# Altium PCB LimeNet-Micro_2v1.PcbDoc (part 3 of 11)
Units mm, origin at the board's own origin, x right, y up, seen from the top; angles counter-clockwise.
Board outline 75 x 143 mm, 6 copper layers (Top, L2, L3, L4, L5, Bottom), stack 1.583 mm thick; 795 components, 565 nets, 3646 pads, 1420 vias.
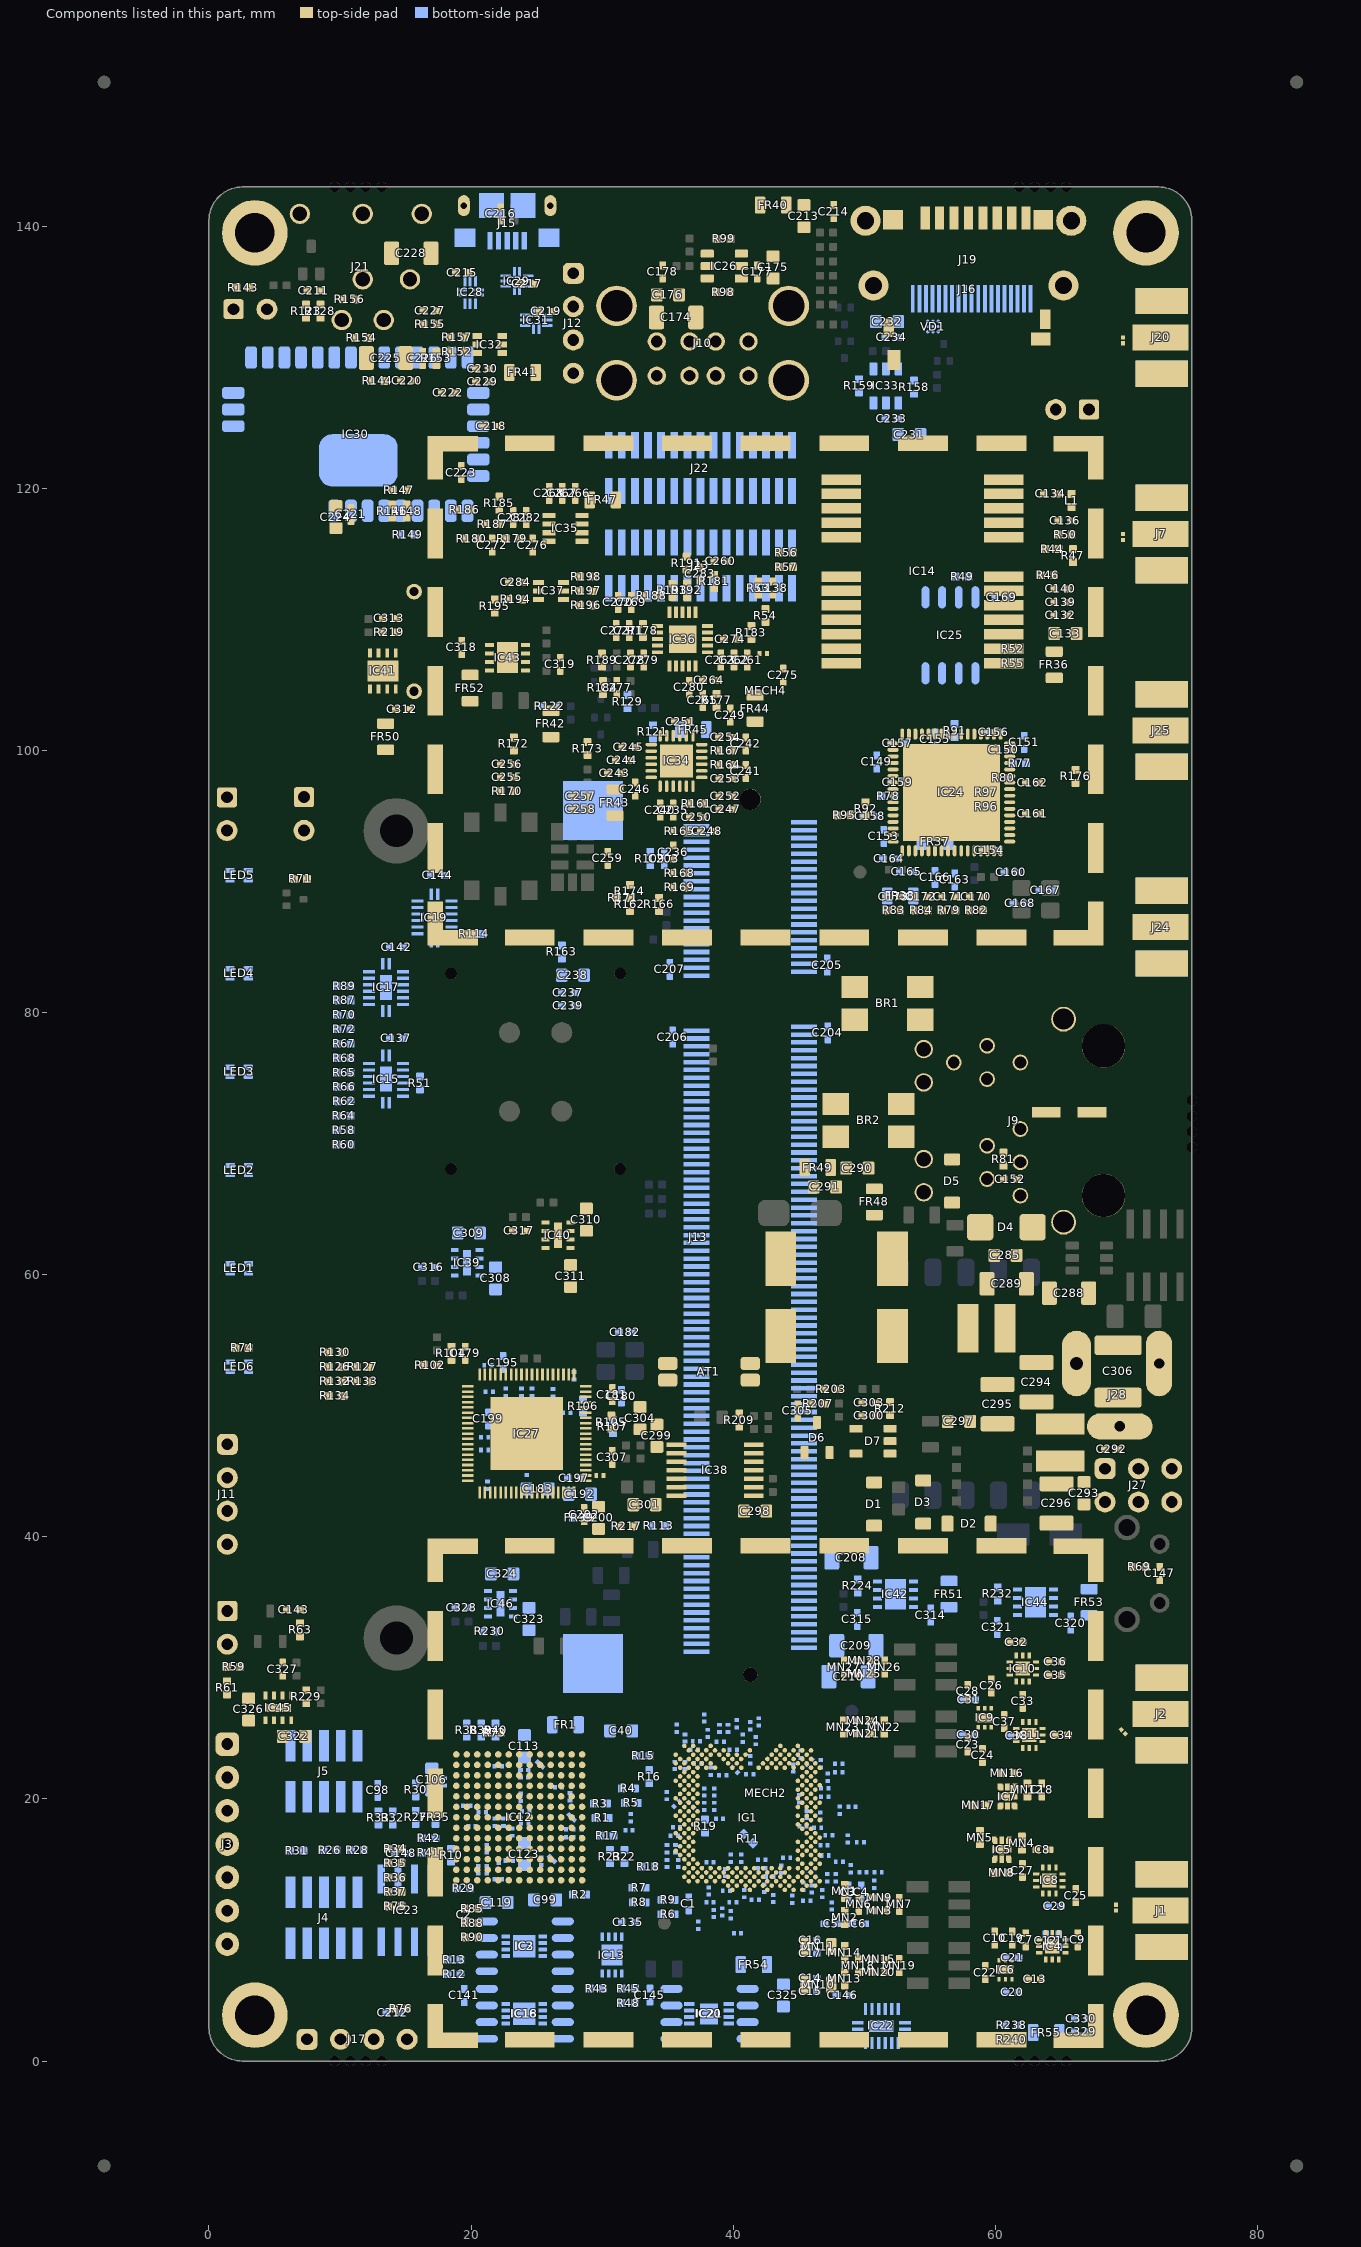
[diagram p7: the components of this part, seen from the top]

## Footprints (in the part's own frame and the unit in brackets; to place one, negate y for a bottom-side part, rotate by r counter-clockwise, add the part's x,y. Pads: shape width x height; smd on the part's side, far side on the other; paste and mask are expansions set on the pad) (continued)
TE_1717254-1_DDR_SODIMM [mm] "(DDR2 SO-DIMM)"
  rect 0.35x2 smd mask+0.05: 1(32.025,3.75) 2(31.725,-4.45) 3(31.425,3.75) 4(31.125,-4.45) 5(30.825,3.75) 6(30.525,-4.45) 7(30.225,3.75) 8(29.925,-4.45) 9(29.625,3.75) 10(29.325,-4.45) 11(29.025,3.75) 12(28.725,-4.45) 13(28.425,3.75) 14(28.125,-4.45) 15(27.825,3.75) 16(27.525,-4.45) 17(27.225,3.75) 18(26.925,-4.45) 19(26.625,3.75) 20(26.325,-4.45) 21(26.025,3.75) 22(25.725,-4.45) 23(25.425,3.75) 24(25.125,-4.45) 25(24.825,3.75) 26(24.525,-4.45) 27(24.225,3.75) 28(23.925,-4.45) 29(23.625,3.75) 30(23.325,-4.45) 31(23.025,3.75) 32(22.725,-4.45) 33(22.425,3.75) 34(22.125,-4.45) 35(21.825,3.75) 36(21.525,-4.45) 37(21.225,3.75) 38(20.925,-4.45) 39(20.625,3.75) 40(20.325,-4.45) 41(16.425,3.75) 42(16.125,-4.45) 43(15.825,3.75) 44(15.525,-4.45) 45(15.225,3.75) 46(14.925,-4.45) 47(14.625,3.75) 48(14.325,-4.45) 49(14.025,3.75) 50(13.725,-4.45) 51(13.425,3.75) 52(13.125,-4.45) 53(12.825,3.75) 54(12.525,-4.45) 55(12.225,3.75) 56(11.925,-4.45) 57(11.625,3.75) 58(11.325,-4.45) 59(11.025,3.75) 60(10.725,-4.45) 61(10.425,3.75) 62(10.125,-4.45) 63(9.825,3.75) 64(9.525,-4.45) 65(9.225,3.75) 66(8.925,-4.45) 67(8.625,3.75) 68(8.325,-4.45) 69(8.025,3.75) 70(7.725,-4.45) 71(7.425,3.75) 72(7.125,-4.45) 73(6.825,3.75) 74(6.525,-4.45) 75(6.225,3.75) 76(5.925,-4.45) 77(5.625,3.75) 78(5.325,-4.45) 79(5.025,3.75) 80(4.725,-4.45) 81(4.425,3.75) 82(4.125,-4.45) 83(3.825,3.75) 84(3.525,-4.45) 85(3.225,3.75) 86(2.925,-4.45) 87(2.625,3.75) 88(2.325,-4.45) 89(2.025,3.75) 90(1.725,-4.45) 91(1.425,3.75) 92(1.125,-4.45) 93(0.825,3.75) 94(0.525,-4.45) 95(0.225,3.75) 96(-0.075,-4.45) 97(-0.375,3.75) 98(-0.675,-4.45) 99(-0.975,3.75) 100(-1.275,-4.45) 101(-1.575,3.75) 102(-1.875,-4.45) 103(-2.175,3.75) 104(-2.475,-4.45) 105(-2.775,3.75) 106(-3.075,-4.45) 107(-3.375,3.75) 108(-3.675,-4.45) 109(-3.975,3.75) 110(-4.275,-4.45) 111(-4.575,3.75) 112(-4.875,-4.45) 113(-5.175,3.75) 114(-5.475,-4.45) 115(-5.775,3.75) 116(-6.075,-4.45) 117(-6.375,3.75) 118(-6.675,-4.45) 119(-6.975,3.75) 120(-7.275,-4.45) 121(-7.575,3.75) 122(-7.875,-4.45) 123(-8.175,3.75) 124(-8.475,-4.45) 125(-8.775,3.75) 126(-9.075,-4.45) 127(-9.375,3.75) 128(-9.675,-4.45) 129(-9.975,3.75) 130(-10.275,-4.45) 131(-10.575,3.75) 132(-10.875,-4.45) 133(-11.175,3.75) 134(-11.475,-4.45) 135(-11.775,3.75) 136(-12.075,-4.45) 137(-12.375,3.75) 138(-12.675,-4.45) 139(-12.975,3.75) 140(-13.275,-4.45) 141(-13.575,3.75) 142(-13.875,-4.45) 143(-14.175,3.75) 144(-14.475,-4.45) 145(-14.775,3.75) 146(-15.075,-4.45) 147(-15.375,3.75) 148(-15.675,-4.45) 149(-15.975,3.75) 150(-16.275,-4.45) 151(-16.575,3.75) 152(-16.875,-4.45) 153(-17.175,3.75) 154(-17.475,-4.45) 155(-17.775,3.75) 156(-18.075,-4.45) 157(-18.375,3.75) 158(-18.675,-4.45) 159(-18.975,3.75) 160(-19.275,-4.45) 161(-19.575,3.75) 162(-19.875,-4.45) 163(-20.175,3.75) 164(-20.475,-4.45) 165(-20.775,3.75) 166(-21.075,-4.45) 167(-21.375,3.75) 168(-21.675,-4.45) 169(-21.975,3.75) 170(-22.275,-4.45) 171(-22.575,3.75) 172(-22.875,-4.45) 173(-23.175,3.75) 174(-23.475,-4.45) 175(-23.775,3.75) 176(-24.075,-4.45) 177(-24.375,3.75) 178(-24.675,-4.45) 179(-24.975,3.75) 180(-25.275,-4.45) 181(-25.575,3.75) 182(-25.875,-4.45) 183(-26.175,3.75) 184(-26.475,-4.45) 185(-26.775,3.75) 186(-27.075,-4.45) 187(-27.375,3.75) 188(-27.675,-4.45) 189(-27.975,3.75) 190(-28.275,-4.45) 191(-28.575,3.75) 192(-28.875,-4.45) 193(-29.175,3.75) 194(-29.475,-4.45) 195(-29.775,3.75) 196(-30.075,-4.45) 197(-30.375,3.75) 198(-30.675,-4.45) 199(-30.975,3.75) 200(-31.275,-4.45)
  round 1.1 hole 1.1 unplated: None(-33.025,-0.35)
  round 1.6 hole 1.6 unplated: None(33.775,-0.35)
  rect 4.5x4.6 smd: S1(-32.175,-12.35) S2(32.925,-12.35)
  silkscreen extent -35.89,-21.92 36.64,5.3, body extent -35.38,-30.5 36.12,4.62, height 5.27
"TPS23753APWR _TSSOP14" [mm]
  rect 1.5x0.35 smd: 1(-2.95,1.95) 2(-2.95,1.3) 3(-2.95,0.65) 4(-2.95,0) 5(-2.95,-0.65) 6(-2.95,-1.3) 7(-2.95,-1.95) 8(2.95,-1.95) 9(2.95,-1.3) 10(2.95,-0.65) 11(2.95,0) 12(2.95,0.65) 13(2.95,1.3) 14(2.95,1.95)
  silkscreen extent -3.05,-2.5 1.85,2.52, body extent -3.2,-2.5 3.2,2.5, height 1.1
TVS_ESD5384NCTBG [mm]
  round 0.25 smd mask+0.05: A1(-0.4,0.4) A2(0,0.4) A3(0.4,0.4) B1(-0.4,0) B2(0,0) B3(0.4,0) C1(-0.4,-0.4) C2(0,-0.4) C3(0.4,-0.4)
  silkscreen extent -0.91,-0.67 0.67,0.94, body extent -0.57,-0.57 0.57,0.57, height 0.58
USB_TYPEA_DOUBLE_USBR-A-D-F-O-TH [mm]
  round 1.4 hole 0.9 mask+0.05: B1(-3.5,-0.13) B2(-1,-0.13) B3(1,-0.13) B4(3.5,-0.13) T1(-3.5,2.49) T2(-1,2.49) T3(1,2.49) T4(3.5,2.49)
  round 3.1 hole 2.4 mask+0.05: SHIELD(-6.57,-2.84) SHIELD(-6.57,2.84) SHIELD(6.57,-2.84) SHIELD(6.57,2.84)
  silkscreen extent -8.5,-11.85 8.5,4.75, body extent -7.8,-13.55 7.8,4.1, height 16.1
WF111-A-V1_WIFI [mm]
  rrect50% 0.9x1.7 smd mask+0.05: 1(1.515,0.15) 2(2.785,0.15) 3(4.055,0.15) 4(5.325,0.15) 5(6.595,0.15) 6(7.865,0.15) 7(9.135,0.15) 8(10.405,0.15) 9(11.675,0.15) 10(12.945,0.15) 11(14.215,0.15) 12(15.485,0.15) 13(16.755,0.15) 14(18.025,0.15) 21(18.025,11.85) 22(16.755,11.85) 23(15.485,11.85) 24(14.215,11.85) 25(12.945,11.85) 26(11.675,11.85) 27(10.405,11.85) 28(9.135,11.85) 29(7.865,11.85)
  rrect50% 1.7x0.9 smd mask+0.05: 15(18.85,2.85) 16(18.85,4.12) 17(18.85,5.39) 18(18.85,6.66) 19(18.85,7.93) 20(18.85,9.2) 30(0.15,5.39) 31(0.15,4.12) 32(0.15,2.85)
  rrect50% 6x4 smd mask+0.05: 33(9.7,8)
  Top pour cut-out: 0,6 0,12 6.6,12 6.6,6
  silkscreen extent -0.5,-0.5 19.5,12.5, body extent 0,0 19,12, height 2

## Part data
AT1: library part TCMT1107CT_optoisolator, Case/Package=SOP, Collector Emitter Breakdown Voltage=70V, Collector Emitter Saturation Voltage=300mV, Current Transfer Ratio=160%, Forward Current=60mA, Forward Voltage=1.6V, Input Current=50mA, Isolation Voltage=3.75kV, Manufacturer="Vishay Semiconductors", Manufacturer Part Number 1=TCMT1107, Max Operating Temperature=100°C, Max Power Dissipation=250mW, Min Operating Temperature=-40°C, Package Quantity=1, Reverse Breakdown Voltage=6V, Supplier Part Number 1=TCMT1107CT-ND, Collector Emitter Voltage (VCEO)=70V, ComponentLink1Description=https://www.verical.com/server-webapp/html/getDatasheet?partID=312696, ComponentLink1URL=https://www.verical.com/server-webapp/html/getDatasheet?partID=312696, ComponentLink2Description=https://www.fairchildsemi.com/datasheets/FO/FOD817A.pdf, ComponentLink2URL=https://www.fairchildsemi.com/datasheets/FO/FOD817A.pdf, ComponentLink3Description=http://www.fairchildsemi.com/ds/FO/FOD817A.pdf, ComponentLink3URL=http://www.fairchildsemi.com/ds/FO/FOD817A.pdf, ComponentLink4Description=http://www.fairchildsemi.com/datasheets/FO/FOD817A.pdf, ComponentLink4URL=http://www.fairchildsemi.com/datasheets/FO/FOD817A.pdf, ComponentLink5Description=http://www.mouser.com/ds/2/149/FOD817A-194238.pdf, ComponentLink5URL=http://www.mouser.com/ds/2/149/FOD817A-194238.pdf, ComponentLink6Description=https://www.fairchildsemi.com/datasheets/FO/FOD817D.pdf, ComponentLink6URL=https://www.fairchildsemi.com/datasheets/FO/FOD817D.pdf, ComponentLink7Description=http://www.jameco.com/Jameco/Products/ProdDS/1107109.pdf, ComponentLink7URL=http://www.jameco.com/Jameco/Products/ProdDS/1107109.pdf, ComponentLink8Description=http://www.vishay.com/docs/83510/tcmt1100.pdf, ComponentLink8URL=http://www.vishay.com/docs/83510/tcmt1100.pdf, ComponentLink9Description=http://www.mouser.com/ds/2/427/tcmt1100-103040.pdf, ComponentLink9URL=http://www.mouser.com/ds/2/427/tcmt1100-103040.pdf, ComponentLink10Description=http://www.farnell.com/datasheets/485045.pdf, ComponentLink10URL=http://www.farnell.com/datasheets/485045.pdf, Contact Plating=Matte,Tin, Fall Time=4.7s, Lead Free="Lead Free", Max Collector Current=50mA, Max Input Current=60mA, Max Output Voltage=70V, Mount="PCB,Surface Mount", Number of Channels=1, Number of Elements=1, Number of Pins=4, Output Current per Channel=50mA, Output Voltage=70V, Packaging="Tape and Reel", Part Description="Optoisolator Transistor Output 5000Vrms 1 Channel 4-SMD", Power Dissipation=250mW, Pricing 1="1=0.75, 10=0.585, 25=0.4848, 100=0.418, 250=0.36784, 500=0.31768, 1000=0.2508 (USD)", Radiation Hardening=No, REACH SVHC="No SVHC", Reverse Voltage (DC)=6V, Rise Time=3s, Stock 1=139303, Supplier 1=Digi-Key, Voltage=6V, Voltage Rating (DC)=70V
BR1 BR2: library part "HD01-T _RECTIFIER_BRIDGE", Average Rectified Current=800mA, Capacitance=10pF, Case/Package=SMD/SMT, Forward Current=400mA, Forward Voltage=1V, Manufacturer=Diodes, Max Forward Surge Current (Ifsm)=30A, Max Operating Temperature=150°C, Max Repetitive Reverse Voltage (Vrrm)=100V, Min Operating Temperature=-55°C, Package Quantity=3000, Peak Reverse Current=5uA, Reverse Voltage (DC)=70V, Supplier Part Number 1=HD01DITR-ND, ComponentLink1Description=https://www.diodes.com/assets/Datasheets/ds17001.pdf, ComponentLink1URL=https://www.diodes.com/assets/Datasheets/ds17001.pdf, ComponentLink2Description=http://www.farnell.com/datasheets/974897.pdf, ComponentLink2URL=http://www.farnell.com/datasheets/974897.pdf, ComponentLink3Description=https://www.verical.com/server-webapp/html/getDatasheet?partID=142523, ComponentLink3URL=https://www.verical.com/server-webapp/html/getDatasheet?partID=142523, ComponentLink4Description=http://www.jameco.com/Jameco/Products/ProdDS/1540412.pdf, ComponentLink4URL=http://www.jameco.com/Jameco/Products/ProdDS/1540412.pdf, ComponentLink5Description=http://www.diodes.com/datasheets/ds17003.pdf, ComponentLink5URL=http://www.diodes.com/datasheets/ds17003.pdf, ComponentLink6Description=http://www.mouser.com/ds/2/115/ds17003-38038.pdf, ComponentLink6URL=http://www.mouser.com/ds/2/115/ds17003-38038.pdf, Contact Plating=Matte,Tin, Current Rating=800mA, Element Configuration=Single, Height=2.7mm, Lead Free="Lead Free", Length=4.9mm, Manufacturer Part Number 1=HD01-T, Max Surge Current=30A, Mount="Surface Mount", Number of Elements=1, Number of Pins=4, Output Current=800mA, Packaging="Tape and Reel", Part Description="Bridge Rectifier Single Phase Standard 100V Surface Mount 4-MiniDIP", Peak Non-Repetitive Surge Current=30A, Pricing 1="3000=0.12705, 6000=0.11935, 15000=0.11165, 30000=0.10241, 75000=0.09856 (USD)", Radiation Hardening=No, REACH SVHC="No SVHC", Stock 1=186000, Supplier 1=Digi-Key, Termination=SMD/SMT, Voltage Rating (DC)=100V, Width=4mm
C1 C167 C168 C283: library part Cap_0402, Capacitance=10, Capacitance Tolerance="± 5%", Capacitor Case Style="0402 [1005 Metric]<!--FANDB--><div class=\"features-and-benefits-container\"></div>", Ceramic Capacitor Case="0402 [1005 Metric]", Dielectric Characteristic="C0G / NP0", Manufacturer=AVX, Manufacturer Part Number 1=04023A100JAT2A, Operating Temperature Max=125, Operating Temperature Min=-55, Supplier Part Number 1=2332478RL, Voltage Rating=25, Capacitance Tolerance ±="± 5%", MSL="MSL 1 - Unlimited", Packaging="Cut Tape", Part Description="10pF ±5% 25V C0G, NP0 Ceramic Capacitor -55°C ~ 125°C Surface Mount, MLCC 0402 (1005 Metric) 0.039\" L x 0.020\" W (1.00mm x 0.50mm)", Product Range=-, RoHS=YES, Supplier 1=Farnell, SVHC="No SVHC (16-Jun-2014)"
C2 C212 C214: library part Cap_0603, Capacitance="0.1 uF", Case Code - in=0402, Manufacturer="Murata Electronics", Manufacturer Part Number 1=GRM155R71C104KA88D, Maximum Operating Temperature="+ 125 C", Minimum Operating Temperature="- 55 C", Operating Temperature Range="- 55 C to + 125 C", Package / Case="0402 (1005 metric)", Supplier Part Number 1=81-GRM155R71C104KA88, Temperature Coefficient / Code="+/- 15 %", Tolerance="10 %", Voltage Rating DC="16 V", Brand="Murata Electronics", Category="Multilayer Ceramic Capacitors MLCC - SMD/SMT", Minimum Order Quantity=1, Packaging=Reel, Part Description="CAP CER 0.1UF 16V X7R 0402", Product="General Type MLCCs", Product Category="Low & Medium Capacitance SMD Ceramic Chip Capacitors", Reeling=True, RoHS="RoHS Compliant", RoHS - Mouser=Y, Series=GRM, Standard Pack Qty=10000, Supplier 1=Mouser, Termination Style=SMD/SMT, Type="General Purpose MLCC"
C3 C5 C7 C8 C9 C10 C11 C12 C13 C15 C16 C18 C19 C22 C23 C24 C25 C26 C27 C28 C29 C32 C33 C34 C35 C36 C37 C38 C134 C136 C140 C239 C245 C246 C250 C251 C253 C254 C262 C263 C264 C265 C268 C269 C270 C271 C300: library part Cap_0402, Capacitance=100pF, Manufacturer=Yageo, Manufacturer Part Number 1=CC0402JRNPO9BN101, Operating Temperature="-55°C ~ 125°C", Package / Case="0402 (1005 Metric)", Ratings=-, Supplier Part Number 1=311-1024-1-ND, Temperature Coefficient="C0G, NP0", Tolerance=±5%, Voltage - Rated=50V, Applications="General Purpose", Category=Capacitors, Features=-, Height - Seated (Max)=-, Lead Spacing=-, Lead Style=-, Mounting Type="Surface Mount, MLCC", Packaging="Cut Tape (CT)", Part Description="100pF ±5% 50V C0G, NP0 Ceramic Capacitor -55°C ~ 125°C Surface Mount, MLCC 0402 (1005 Metric) 0.039\" L x 0.020\" W (1.00mm x 0.50mm)", RoHS="RoHS Compliant", Size / Dimension="0.039\" L x 0.020\" W (1.00mm x 0.50mm)", Supplier 1=Digi-Key, Thickness (Max)="0.022\" (0.55mm)"
  C7 C8 C18 C19 C24 C32: Assembly Info=NF
C4 C6 C14 C17 C98 C137 C139 C142 C144 C146 C149 C151 C153 C155 C156 C157 C158 C159 C160 C161 C162 C163 C164 C165 C166 C169 C177 C178 C202 C215 C217 C218 C219 C220 C221 C222 C223 C226 C227 C230 C233 C234 C235 C236 C237 C240 C244 C249 C252 C255 C258 C260 C261 C272 C273 MN15 MN20: library part Cap_0402, Capacitance="0.1 uF", Case Code - in=0402, Case Code - mm=1005, Case Height="0.5 mm", Case Length="1 mm", Dielectric=X7R, Manufacturer="Murata Electronics", Manufacturer Part Number=GRM155R71C104KA88D, Maximum Operating Temperature="+ 125 C", Minimum Operating Temperature="- 55 C", Operating Temperature Range="- 55 C to + 125 C", Package / Case="0402 (1005 metric)", Supplier Part Number 1=81-GRM155R71C104KA88, Temperature Coefficient / Code="+/- 15 %", Tolerance="10 %", Voltage Rating DC="16 V", Brand="Murata Electronics", Case Width="0.5 mm", Category="Multilayer Ceramic Capacitors MLCC - SMD/SMT", Manufacturer Part Number 1=GRM155R71C104KA88D, Minimum Order Quantity=1, Packaging=Reel, Part Description="CAP CER 0.1UF 16V X7R 0402", Product="General Type MLCCs", Product Category="Low & Medium Capacitance SMD Ceramic Chip Capacitors", Reeling=True, RoHS="RoHS Compliant", RoHS - Mouser=Y, Series=GRM, Standard Pack Qty=10000, Supplier 1=Mouser, Termination Style=SMD/SMT, Type="General Purpose MLCC"
  C169 C218 C220 C221 C222 C223 C255 C258 C272: Assembly Info=NF
C20 C21 C30 C31 C180 C182: library part Cap_0402, Capacitance=10, Capacitance Tolerance="± 5%", Capacitor Case Style="0402 [1005 Metric]<!--FANDB--><div class=\"features-and-benefits-container\"></div>", Ceramic Capacitor Case="0402 [1005 Metric]", Manufacturer=AVX, Manufacturer Part Number 1=04023A100JAT2A, Operating Temperature Max=125, Operating Temperature Min=-55, Supplier Part Number 1=2332478RL, Voltage Rating=25, Capacitance Tolerance ±="± 5%", MSL="MSL 1 - Unlimited", Packaging="Cut Tape", Part Description="10pF ±5% 25V C0G, NP0 Ceramic Capacitor -55°C ~ 125°C Surface Mount, MLCC 0402 (1005 Metric) 0.039\" L x 0.020\" W (1.00mm x 0.50mm)", Supplier 1=Farnell
C39 C42 C44 C46 C48 C50 C51 C52 C53 C54 C55 C56 C57 C58 C59 C60 C61 C62 C63 C65 C66 C67 C68 C69 C70 C72 C74 C76 C77 C78 C79 C80 C81 C82 C83 C84 C85 C86 C87 C88 C89 C90 C91 C92 C93 C94 C95 C96 C97 C100 C107 C114 C120 C124 C184 C186 C188 C190 C193 C201: library part Cap_0402, Capacitance=1.0µF, Manufacturer="TDK Corporation", Manufacturer Part Number 1=JMK063ABJ105MP-F, Operating Temperature="-55°C ~ 85°C", Package / Case="0201 (0603 Metric)", Ratings=-, Supplier Part Number 1=587-5864-2-ND, Temperature Coefficient=X5R, Tolerance=±20%, Voltage - Rated=6.3V, Applications="General Purpose", Category=Capacitors, Features=-, Height - Seated (Max)=-, Lead Spacing=-, Lead Style=-, Mounting Type="Surface Mount, MLCC", Packaging="Cut Tape (CT)", Part Description="1µF ±20% 6.3V X5R Ceramic Capacitor -55°C ~ 85°C Surface Mount, MLCC 0201 (0603 Metric) 0.024\" L x 0.012\" W (0.60mm x 0.30mm)", RoHS="RoHS Compliant", Size / Dimension="0.024\" L x 0.012\" W (0.60mm x 0.30mm)", Supplier 1=Digi-Key, Thickness (Max)=-
C40 C99 C106 C113 C119 C123 C133 C183 C192 C200 C213 C325: library part Cap_0603, Capacitance=10µF, Manufacturer=Yageo, Manufacturer Part Number 1=CC0603MRX5R5BB106, Package / Case="0603 (1608 Metric)", Supplier Part Number 1=311-1448-2-ND, Tolerance=±20%, Voltage - Rated=6.3V, Category=Capacitors, Part Description="10µF ±20% 6.3V X5R Ceramic Capacitor -55°C ~ 85°C Surface Mount, MLCC 0603 (1608 Metric) 0.063\" L x 0.031\" W (1.60mm x 0.80mm)", Supplier 1=Digi-Key
C41 C43 C45 C47 C49 C64 C71 C73 C75: library part Cap_0402, Capacitance=1000pF, Manufacturer="TDK Corporation", Manufacturer Part Number 1=C0603X7R1E102K030BA, Operating Temperature="-55°C ~ 125°C", Package / Case="0201 (0603 Metric)", Ratings=-, Supplier Part Number 1=445-7275-1-ND, Temperature Coefficient=X7R, Tolerance=±10%, Voltage - Rated=25V, Applications="General Purpose", Category=Capacitors, Features=-, Height - Seated (Max)=-, Lead Spacing=-, Lead Style=-, Mounting Type="Surface Mount, MLCC", Packaging="Cut Tape (CT)", Part Description="1000pF ±10% 25V X7R Ceramic Capacitor -55°C ~ 125°C Surface Mount, MLCC 0201 (0603 Metric) 0.024\" L x 0.012\" W (0.60mm x 0.30mm)", RoHS="RoHS Compliant", Size / Dimension="0.024\" L x 0.012\" W (0.60mm x 0.30mm)", Supplier 1=Digi-Key, Thickness (Max)="0.013\" (0.33mm)"
C101 C102 C103 C104 C105 C108 C109 C110 C111 C112 C115 C116 C117 C118 C121 C122 C125 C126 C127 C128 C129 C130 C131 C185 C187 C189 C191 C194 C196 C198: library part Cap_0402, Capacitance="0.1 uF", Case Code - in=0201, Case Code - mm=0603, Dielectric=X6S, Manufacturer=Murata, Manufacturer Part Number 1=GRT033C81A104KE01D, Maximum Operating Temperature="+ 125 C", Minimum Operating Temperature="- 55 C", Package / Case="0201 (0603 metric)", Supplier Part Number 1=490-12232-1-ND, Tolerance="10 %", Voltage Rating DC="6.3 VDC", Brand="Murata Electronics", Category="Multilayer Ceramic Capacitors MLCC - SMD/SMT", Height="0.3 mm", Length="0.6 mm", Minimum Order Quantity=1, Packaging=Reel, Part Description="0.10µF ±10% 6.3V X6S Ceramic Capacitor -55°C ~ 105°C Surface Mount, MLCC 0201 (0603 Metric) 0.024\" L x 0.012\" W (0.60mm x 0.30mm)", Product="General Type MLCCs", Product Status="New Product", Reeling=True, RoHS="RoHS Compliant", RoHS - Mouser=Y, Series=GRM, Supplier 1=Digi-Key, Termination Style=SMD/SMT, Type="Voltage and Temperature Derating Recommended Product", Width="0.3 mm"
C132 C154 C204 C205 C206 C207 C229 C243 C247 C248 C256 C257 C266 C281 C292 C305 C329: library part Cap_0402, "CAP CER 1UF 10V X5R 0402", Manufacturer=Yageo, Manufacturer Part Number 1=CC0402MRX5R6BB105, Operating Temperature="-55°C ~ 85°C", Package / Case="0402 (1005 Metric)", Ratings=-, Supplier Part Number 1=311-1732-1-ND, Temperature Coefficient=X5R, Tolerance=±20%, Voltage - Rated=10V, Applications="General Purpose", Category=Capacitors, ComponentLink1Description=http://www.yageo.com/documents/recent/UPY-GPHC_X5R_4V-to-50V_25.pdf, ComponentLink1URL=http://www.yageo.com/documents/recent/UPY-GPHC_X5R_4V-to-50V_25.pdf, Failure Rate=-, Features=-, Height - Seated (Max)=-, Lead Spacing=-, Lead Style=-, Mounting Type="Surface Mount, MLCC", Notification="Current market demand for these product types have resulted in fluctuating and extending lead times. Lead times may differ.", Packaging="Cut Tape (CT)", Part Description="1µF 10V Ceramic Capacitor X5R 0402 (1005 Metric) 0.039\" L x 0.020\" W (1.00mm x 0.50mm)", Part Status=Active, Pricing 1="1=0.22, 10=0.156, 100=0.0732, 500=0.0513, 1000=0.04248, 2500=0.03953, 5000=0.03617 (USD)", RoHS="RoHS Compliant", Size / Dimension="0.039\" L x 0.020\" W (1.00mm x 0.50mm)", Stock 1=69600, Supplier 1=Digi-Key, Thickness (Max)="0.022\" (0.55mm)"
  C256 C257: Assembly Info=NF
C135 C138 C141 C143 C145 C179 C181 C267 C282 C330: library part Cap_0603, Capacitance="0.1 uF", Case Code - in=0402, Case Code - mm=1005, Case Height="0.5 mm", Case Length="1 mm", Dielectric=X7R, Manufacturer="Murata Electronics", Manufacturer Part Number=GRM155R71C104KA88D, Maximum Operating Temperature="+ 125 C", Minimum Operating Temperature="- 55 C", Operating Temperature Range="- 55 C to + 125 C", Package / Case="0402 (1005 metric)", Supplier Part Number 1=81-GRM155R71C104KA88, Temperature Coefficient / Code="+/- 15 %", Tolerance="10 %", Voltage Rating DC="16 V", Brand="Murata Electronics", Case Width="0.5 mm", Category="Multilayer Ceramic Capacitors MLCC - SMD/SMT", Manufacturer Part Number 1=GRM155R71C104KA88D, Minimum Order Quantity=1, Packaging=Reel, Part Description="CAP CER 0.1UF 16V X7R 0402", Product="General Type MLCCs", Product Category="Low & Medium Capacitance SMD Ceramic Chip Capacitors", Reeling=True, RoHS="RoHS Compliant", RoHS - Mouser=Y, Series=GRM, Standard Pack Qty=10000, Supplier 1=Mouser, Termination Style=SMD/SMT, Type="General Purpose MLCC"
  C135 C179: Assembly Info=NF
C147 C148 C284: library part Cap_0603, Capacitance="0.1 uF", Case Code - in=0402, Manufacturer="Murata Electronics", Manufacturer Part Number=GRM155R71C104KA88D, Supplier Part Number 1=81-GRM155R71C104KA88, Temperature Coefficient / Code="+/- 15 %", Tolerance="10 %", Voltage Rating DC="16 V", Brand="Murata Electronics", Category="Multilayer Ceramic Capacitors MLCC - SMD/SMT", Manufacturer Part Number 1=GRM155R71C104KA88D, Part Description="CAP CER 0.1UF 16V X7R 0402", Supplier 1=Mouser, Type="General Purpose MLCC"
  C284: Assembly Info=NF
C150 C203 C211 C312 C313 C314 C315 C318 C319 C320 C321: library part Cap_0402, Capacitance=4.7µF, Manufacturer="Murata Electronics North America", Manufacturer Part Number 1=GRM155R60J475ME87D, Operating Temperature="-55°C ~ 85°C", Package / Case="0402 (1005 Metric)", Ratings=-, Supplier Part Number 1=490-5408-1-ND, Temperature Coefficient=X5R, Tolerance=±20%, Voltage - Rated=6.3V, Applications="General Purpose", Category=Capacitors, Features="Derating Recommended", Height - Seated (Max)=-, Lead Spacing=-, Lead Style=-, Mounting Type="Surface Mount, MLCC", Packaging="Cut Tape (CT)", Part Description="4.7µF ±20% 6.3V X5R Ceramic Capacitor -55°C ~ 85°C Surface Mount, MLCC 0402 (1005 Metric) 0.039\" L x 0.020\" W (1.00mm x 0.50mm)", RoHS="RoHS Compliant", Size / Dimension="0.039\" L x 0.020\" W (1.00mm x 0.50mm)", Supplier 1=Digi-Key, Thickness (Max)="0.022\" (0.55mm)"
  C312 C313: Assembly Info=NF
C152: library part Cap_0402, Capacitance=0.022µF, Manufacturer=Kemet, Manufacturer Part Number 1=C0402C223K5RACTU, Operating Temperature="-55°C ~ 125°C", Package / Case="0402 (1005 Metric)", Ratings=-, Supplier Part Number 1=399-7780-1-ND, Temperature Coefficient=X7R, Tolerance=±10%, Voltage - Rated=50V, Applications="General Purpose", Category=Capacitors, Features=-, Height - Seated (Max)=-, Lead Spacing=-, Lead Style=-, Mounting Type="Surface Mount, MLCC", Packaging="Cut Tape (CT)", Part Description="0.022µF ±10% 50V Ceramic Capacitor X7R 0402 (1005 Metric)", RoHS="RoHS Compliant", Size / Dimension="0.039\" L x 0.020\" W (1.00mm x 0.50mm)", Supplier 1=Digi-Key, Thickness (Max)="0.022\" (0.55mm)"
C170 C171 C172 C173: library part Cap_0603, Capacitance=13pF, Manufacturer="Murata Electronics North America", Manufacturer Part Number 1=GRM1555C1H130JA01D, Package / Case="0402 (1005 Metric)", Supplier Part Number 1=490-5925-2-ND, Tolerance=±5%, Voltage - Rated=50V, Category=Capacitors, Part Description="13pF ±5% 50V C0G, NP0 Ceramic Capacitor -55°C ~ 125°C Surface Mount, MLCC 0402 (1005 Metric) 0.039\" L x 0.020\" W (1.00mm x 0.50mm)", Supplier 1=Digi-Key
C174 C208 C209 C210 C225 C228: library part Cap_1206, Manufacturer="TDK Corporation", Manufacturer Part Number 1=C3216X6S1A476M160AC, Operating Temperature="-55°C ~ 105°C", Package / Case="1206 (3216 Metric)", Ratings=-, Supplier Part Number 1=445-6010-1-ND, Temperature Coefficient=X6S, Tolerance=±20%, Voltage - Rated=10V, Applications="General Purpose", Category=Capacitors, Failure Rate=-, Features="Low ESL", Height - Seated (Max)=-, Lead Spacing=-, Lead Style=-, Mounting Type="Surface Mount, MLCC", Notification="Current market demand for these product types have resulted in fluctuating and extending lead times. Lead times may differ.", Packaging="Cut Tape (CT)", Part Description="47µF ±20% 10V Ceramic Capacitor X6S 1206 (3216 Metric)", Part Status=Active, RoHS="RoHS Compliant", Size / Dimension="0.126\" L x 0.063\" W (3.20mm x 1.60mm)", Supplier 1=Digi-Key, Thickness (Max)="0.071\" (1.80mm)"
C175 C176 C224 C231 C232 C308 C309 C310 C311 C322 C323 C324 C326: library part Cap_0603, Capacitance="22 uF", Case Code - in=0603, Case Code - mm=1608, Manufacturer="TDK Corporation", Manufacturer Part Number 1=C1608X5R1A226M080AC, Operating Temperature Range="- 55 C to + 85 C", Package / Case="0603 (1608 metric)", Supplier Part Number 1=810-C1608X5R1A226M, Temperature Coefficient / Code="+/- 15 %", Tolerance="20 %", Voltage Rating DC="10 V", Brand=TDK, Category="Multilayer Ceramic Capacitors MLCC - SMD/SMT", Part Description="22µF ±20% 10V X5R Ceramic Capacitor -55°C ~ 85°C Surface Mount, MLCC 0603 (1608 Metric) 0.063\" L x 0.031\" W (1.60mm x 0.80mm)", Supplier 1=Mouser, Type="Multilayer Ceramic Chip Capacitor"
  C224: Assembly Info=NF
C195 C197 C199: library part Cap_0402, Manufacturer="Murata Electronics North America", Manufacturer Part Number 1=GRM155R71H103KA88D, Operating Temperature="-55°C ~ 125°C", Package / Case="0402 (1005 Metric)", Ratings=-, Supplier Part Number 1=490-4516-2-ND, Temperature Coefficient=X7R, Tolerance=±10%, Voltage - Rated=50V, Applications="General Purpose", Category=Capacitors, ComponentLink1Description=http://www.murata.com/~/media/webrenewal/support/library/catalog/products/capacitor/mlcc/c02e.ashx?la=en-us, ComponentLink1URL=http://www.murata.com/~/media/webrenewal/support/library/catalog/products/capacitor/mlcc/c02e.ashx?la=en-us, Features=-, Height - Seated (Max)=-, Lead Spacing=-, Lead Style=-, Mounting Type="Surface Mount, MLCC", Packaging="Tape & Reel (TR)", Part Description="10000pF ±10% 50V Ceramic Capacitor X7R 0402 (1005 Metric)", Part Status=Active, Pricing 1="10000=0.00185, 20000=0.00176, 30000=0.00167 (USD)", RoHS="RoHS Compliant", Size / Dimension="0.039\" L x 0.020\" W (1.00mm x 0.50mm)", Stock 1=10970000, Supplier 1=Digi-Key, Thickness (Max)="0.022\" (0.55mm)"
C216: library part Cap_0402, Manufacturer="Murata Electronics North America", Manufacturer Part Number 1=GCM155R71H472KA37D, Operating Temperature="-55°C ~ 125°C", Package / Case="0402 (1005 Metric)", Ratings=AEC-Q200, Supplier Part Number 1=490-4915-1-ND, Temperature Coefficient=X7R, Tolerance=±10%, Voltage - Rated=50V, Applications=Automotive, Category=Capacitors, Features=-, Height - Seated (Max)=-, Lead Spacing=-, Lead Style=-, Mounting Type="Surface Mount, MLCC", Packaging="Cut Tape (CT)", Part Description="4700pF ±10% 50V Ceramic Capacitor X7R 0402 (1005 Metric)", Part Status=Active, RoHS="RoHS Compliant", Size / Dimension="0.039\" L x 0.020\" W (1.00mm x 0.50mm)", Supplier 1=Digi-Key, Thickness (Max)="0.022\" (0.55mm)"
C238: library part Cap_0603, Capacitance=10µF, Manufacturer=Yageo, Manufacturer Part Number 1=GRM188R61C106MA73D, Operating Temperature="-55°C ~ 85°C", Package / Case="0603 (1608 Metric)", Ratings=-, Supplier Part Number 1=490-7201-2-ND, Temperature Coefficient=X5R, Tolerance=±20%, Voltage - Rated=16V, Applications="General Purpose", Category=Capacitors, Features=-, Height - Seated (Max)=-, Lead Spacing=-, Lead Style=-, Mounting Type="Surface Mount, MLCC", Packaging="Tape & Reel (TR)", Part Description="10µF ±20% 16V Ceramic Capacitor X5R 0603 (1608 Metric)", RoHS="RoHS Compliant", Size / Dimension="0.063\" L x 0.031\" W (1.60mm x 0.80mm)", Supplier 1=Digi-Key, Thickness (Max)="0.039\" (1.00mm)"
C241 C242: library part Cap_0402, Capacitance=47pF, Manufacturer="TDK Corporation", Manufacturer Part Number 1=C1005C0G1H470F050BA, Operating Temperature="-55°C ~ 125°C", Package / Case="0402 (1005 Metric)", Ratings=-, Supplier Part Number 1=445-5361-1-ND, Temperature Coefficient="C0G, NP0", Tolerance=±1%, Voltage - Rated=50V, Applications="General Purpose", Assembly Info=NF, Category=Capacitors, Features=-, Height - Seated (Max)=-, Lead Spacing=-, Lead Style=-, Mounting Type="Surface Mount, MLCC", Packaging="Cut Tape (CT)", Part Description="47pF ±1% 50V C0G, NP0 Ceramic Capacitor -55°C ~ 125°C Surface Mount, MLCC 0402 (1005 Metric) 0.039\" L x 0.020\" W (1.00mm x 0.50mm)", RoHS="RoHS Compliant", Size / Dimension="0.039\" L x 0.020\" W (1.00mm x 0.50mm)", Supplier 1=Digi-Key, Thickness (Max)="0.022\" (0.55mm)"
C259: library part Cap_0402, Capacitance=0.018µF, Manufacturer=Yageo, Manufacturer Part Number 1=CC0402KRX7R7BB183, Operating Temperature="-55°C ~ 125°C", Package / Case="0402 (1005 Metric)", Supplier Part Number 1=311-1706-1-ND, Temperature Coefficient=X7R, Tolerance=±10%, Voltage - Rated=16V, Applications="General Purpose", Assembly Info=NF, Category=Capacitors, Mounting Type="Surface Mount, MLCC", Packaging="Cut Tape (CT)", Part Description="0.018µF ±10% 16V Ceramic Capacitor X7R 0402 (1005 Metric)", Part Status=Active, RoHS="RoHS Compliant", Size / Dimension="0.039\" L x 0.020\" W (1.00mm x 0.50mm)", Supplier 1=Digi-Key, Thickness (Max)="0.022\" (0.55mm)"
C274 C275: library part Cap_0402, Capacitance="1000 pF", Case Code - in=0402, Case Code - mm=1005, Case Height="0.5 mm", Case Length="1 mm", Dielectric=X7R, Manufacturer="Murata Electronics", Manufacturer Part Number 1=GCM155R71H102KA37D, Maximum Operating Temperature="+ 125 C", Minimum Operating Temperature="- 55 C", Operating Temperature Range="- 55 C to + 125 C", Package / Case="0402 (1005 metric)", Supplier Part Number 1=81-GCM155R71H102KA7D, Temperature Coefficient / Code="+/- 15 %", Tolerance="10 %", Voltage Rating DC="50 V", Brand="Murata Electronics", Case Width="0.5 mm", Category="Multilayer Ceramic Capacitors MLCC - SMD/SMT", Minimum Order Quantity=1, Packaging=Reel, Part Description="1000pF ±10% 50V X7R Ceramic Capacitor -55°C ~ 125°C Surface Mount, MLCC 0402 (1005 Metric) 0.039\" L x 0.020\" W (1.00mm x 0.50mm)", Product="Automotive MLCCs", Product Category="Automotive Ceramic Chip Capacitors", Reeling=True, RoHS="RoHS Compliant", RoHS - Mouser=Y, Series=GCM, Standard Pack Qty=10000, Supplier 1=Mouser, Termination Style=SMD/SMT, Type="Automotive Ultra Small MLCC"
C276: library part Cap_0402, Manufacturer="Murata Electronics North America", Manufacturer Part Number 1=GCM155R71H102KA37D, Operating Temperature="-55°C ~ 125°C", Package / Case="0402 (1005 Metric)", Ratings=AEC-Q200, Supplier Part Number 1=490-4761-1-ND, Temperature Coefficient=X7R, Tolerance=±10%, Voltage - Rated=50V, Applications=Automotive, Category=Capacitors, Features=-, Height - Seated (Max)=-, Lead Spacing=-, Lead Style=-, Mounting Type="Surface Mount, MLCC", Packaging="Cut Tape (CT)", Part Description="1000pF ±10% 50V Ceramic Capacitor X7R 0402 (1005 Metric)", Part Status=Active, RoHS="RoHS Compliant", Size / Dimension="0.039\" L x 0.020\" W (1.00mm x 0.50mm)", Supplier 1=Digi-Key, Thickness (Max)="0.022\" (0.55mm)"
C277 C278 C279: library part Cap_0402, Capacitance=22pF, Manufacturer=Yageo, Manufacturer Part Number 1=CC0402JRNPO9BN220, Operating Temperature="-55°C ~ 125°C", Package / Case="0402 (1005 Metric)", Ratings=-, Supplier Part Number 1=311-1018-2-ND, Temperature Coefficient="C0G, NP0", Tolerance=±5%, Voltage - Rated=50V, Applications="General Purpose", Category=Capacitors, Features=-, Height - Seated (Max)=-, Lead Spacing=-, Lead Style=-, Mounting Type="Surface Mount, MLCC", Packaging="Tape & Reel (TR)", Part Description="22pF ±5% 50V C0G, NP0 Ceramic Capacitor -55°C ~ 125°C Surface Mount, MLCC 0402 (1005 Metric) 0.039\" L x 0.020\" W (1.00mm x 0.50mm)", RoHS="RoHS Compliant", Size / Dimension="0.039\" L x 0.020\" W (1.00mm x 0.50mm)", Supplier 1=Digi-Key, Thickness (Max)="0.022\" (0.55mm)"
C280: library part Cap_0402, Capacitance=220pF, Manufacturer=Yageo, Manufacturer Part Number 1=CC0402KRX7R9BB221, Operating Temperature="-55°C ~ 125°C", Package / Case="0402 (1005 Metric)", Ratings=-, Supplier Part Number 1=311-1035-2-ND, Temperature Coefficient=X7R, Tolerance=±10%, Voltage - Rated=50V, Applications="General Purpose", Category=Capacitors, Features=-, Height - Seated (Max)=-, Lead Spacing=-, Lead Style=-, Mounting Type="Surface Mount, MLCC", Packaging="Tape & Reel (TR)", Part Description="220pF ±10% 50V X7R Ceramic Capacitor -55°C ~ 125°C Surface Mount, MLCC 0402 (1005 Metric) 0.039\" L x 0.020\" W (1.00mm x 0.50mm)", RoHS="RoHS Compliant", Size / Dimension="0.039\" L x 0.020\" W (1.00mm x 0.50mm)", Supplier 1=Digi-Key, Thickness (Max)="0.022\" (0.55mm)"
C285 C293 C298 C299: library part Cap_0603, Manufacturer="Murata Electronics North America", Manufacturer Part Number 1=GRM188R72A104KA35D, Operating Temperature="-55°C ~ 125°C", Package / Case="0603 (1608 Metric)", Ratings=-, Supplier Part Number 1=490-3285-1-ND, Temperature Coefficient=X7R, Tolerance=±10%, Voltage - Rated=100V, Applications="General Purpose", Category=Capacitors, Features=-, Height - Seated (Max)=-, Lead Spacing=-, Lead Style=-, Mounting Type="Surface Mount, MLCC", Notification="Current market demand for these product types have resulted in fluctuating and extending lead times. Lead times may differ.", Packaging="Cut Tape (CT)", Part Description="0.1µF ±10% 100V Ceramic Capacitor X7R 0603 (1608 Metric)", Part Status="Not For New Designs", RoHS="RoHS Compliant", Size / Dimension="0.063\" L x 0.031\" W (1.60mm x 0.80mm)", Supplier 1=Digi-Key, Thickness (Max)="0.035\" (0.90mm)"
C286 C287: library part Cap_ceramic, Capacitance=10uF, Case/Package=Radial, Leakage Current=3uA, Manufacturer=Panasonic, Manufacturer Part Number 1=EEE2AA100UP, Max Operating Temperature=85°C, Min Operating Temperature=-40°C, Package Quantity=1, Ripple Current=50mA, Supplier Part Number 1=PCE3966CT-ND, Tolerance=20%, Voltage=100V, ComponentLink1Description=http://components.arrow.com/part/dataview/41677645S8110057N1386, ComponentLink1URL=http://components.arrow.com/part/dataview/41677645S8110057N1386, ComponentLink2Description=https://www.distrelec.biz/Web/Downloads/_t/ds/PAN-FK_eng_tds.pdf?mime=application%2Fpdf, ComponentLink2URL=https://www.distrelec.biz/Web/Downloads/_t/ds/PAN-FK_eng_tds.pdf?mime=application%2Fpdf, ComponentLink3Description=http://uk.rs-online.com/webdocs/139e/0900766b8139e40f.pdf, ComponentLink3URL=http://uk.rs-online.com/webdocs/139e/0900766b8139e40f.pdf, ComponentLink4Description=http://www.alliedelec.com/m/d/e9dd47fa10a053d1f2828ce8bc944f54.pdf, ComponentLink4URL=http://www.alliedelec.com/m/d/e9dd47fa10a053d1f2828ce8bc944f54.pdf, ComponentLink5Description=https://industrial.panasonic.com/cdbs/www-data/pdf/RDE0000/ABA0000C1181.pdf, ComponentLink5URL=https://industrial.panasonic.com/cdbs/www-data/pdf/RDE0000/ABA0000C1181.pdf, ComponentLink6Description=http://www.farnell.com/datasheets/2002520.pdf, ComponentLink6URL=http://www.farnell.com/datasheets/2002520.pdf, ComponentLink7Description=http://industrial.panasonic.com/www-data/pdf/ABA0000/ABA0000CE120.pdf, ComponentLink7URL=http://industrial.panasonic.com/www-data/pdf/ABA0000/ABA0000CE120.pdf, ComponentLink8Description=http://www.farnell.com/datasheets/731857.pdf, ComponentLink8URL=http://www.farnell.com/datasheets/731857.pdf, ComponentLink9Description=http://www.produktinfo.conrad.com/datenblaetter/425000-449999/443507-da-01-en-SMD_ELKO_VFK_F_22_UF_100V.pdf, ComponentLink9URL=http://www.produktinfo.conrad.com/datenblaetter/425000-449999/443507-da-01-en-SMD_ELKO_VFK_F_22_UF_100V.pdf, ComponentLink10Description=https://industrial.panasonic.com/cdbs/www-data/pdf/RDE0000/DME0000COL90.pdf, ComponentLink10URL=https://industrial.panasonic.com/cdbs/www-data/pdf/RDE0000/DME0000COL90.pdf, ComponentLink11Description=http://www.industrial.panasonic.com/www-data/pdf/ABA0000/ABA0000CE2.pdf, ComponentLink11URL=http://www.industrial.panasonic.com/www-data/pdf/ABA0000/ABA0000CE2.pdf, ComponentLink12Description=http://www.mouser.com/ds/2/315/ABA0000C1145-947633.pdf, ComponentLink12URL=http://www.mouser.com/ds/2/315/ABA0000C1145-947633.pdf, ComponentLink13Description=http://www.farnell.com/datasheets/2648708.pdf, ComponentLink13URL=http://www.farnell.com/datasheets/2648708.pdf, ComponentLink14Description=http://industrial.panasonic.com/www-data/pdf/ABA0000/ABA0000CE2.pdf, ComponentLink14URL=http://industrial.panasonic.com/www-data/pdf/ABA0000/ABA0000CE2.pdf, Contact Plating=Tin, Diameter=8mm, Height=6.2mm, Height - Seated (Max)=0.244inch, Lead Free="Lead Free", Length=6.5mm, Life (Hours)=2000Hour, Mount="PCB,Surface Mount", Packaging="Tape and Reel", Part Description="10µF 100V Aluminum Electrolytic Capacitors Radial, Can - SMD  2000 Hrs @ 85°C", Pricing 1="1=0.58, 10=0.413, 100=0.2722, 500=0.20166 (USD)", Radiation Hardening=No, REACH SVHC="No SVHC", Ripple Current (AC)=50mA, Stock 1=47613, Supplier 1=Digi-Key, Termination=SMD/SMT, Voltage Rating=100V, Voltage Rating (DC)=100V